# Altium PCB OAI_KPA_Digital_part.PcbDoc (part 2 of 3)
Units mil, origin at the board's own origin, x right, y up, seen from the top; angles counter-clockwise.
Board outline 5906.35 x 2551.18 mil, 4 copper layers (Top Layer, Mid-Layer 1, Internal Plane 2, Bottom Layer); 133 components, 173 nets, 617 pads, 278 vias.
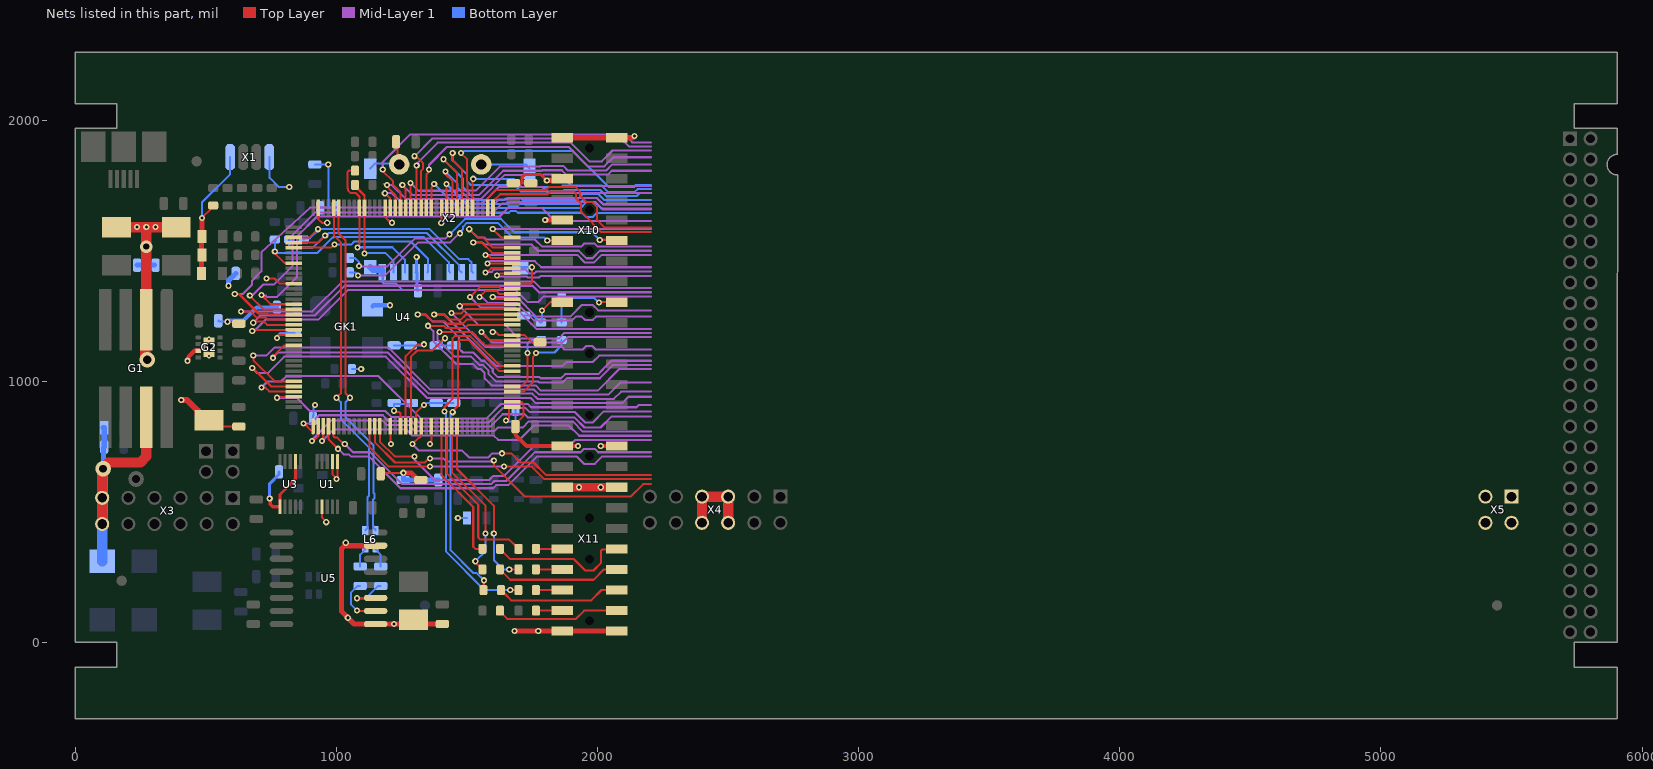
[diagram p4: the nets of this part, all layers, seen from the top]

## Via types
v1: diameter 23.62, hole 11.81, Top Layer to Bottom Layer, 243 vias
v2: diameter 31.5, hole 31.5, Top Layer to Bottom Layer, 30 vias
v3: diameter 19.68, hole 7.87, Top Layer to Bottom Layer, 2 vias
v4: diameter 43.31, hole 31.5, Top Layer to Bottom Layer, 1 vias
v5: diameter 59.06, hole 31.5, Top Layer to Bottom Layer, 1 vias
v6: diameter 47.24, hole 23.62, Top Layer to Bottom Layer, 1 vias

## Nets (pads, with @x,y where several pads share a name; then routed paths per layer and width w, separated by ;. In a path a pad name is that pad's centre, name@x,y a point inside that pad or via, vN(x,y) a via of type N, cw(c..) or ccw(c..) an arc to the next point about the centre after c; other vN are vias at no path point) (continued)
ADC_MC_IN_4: C4.2 R4.1 U4.37 | length 195.5
  Top Layer w7.87: v1(1649.6,850.39) 1649.6,844.09 1657.48,851.96 1657.48,852.64 1660.53,855.69 1660.53,898.62 1663.48,901.57 U4.37@1673.23,901.57
  Bottom Layer w7.87: v1(1649.6,850.39) 1649.6,846.34 1668.52,846.34 1669.27,845.59 1673.53,845.59 1685.04,834.07 C4.2@1685.04,829.82 ; C4.2@1685.04,826.36 C4.2@1685.04,829.82 ; R4.1@1685.04,893.7 C4.2@1685.04,829.82
ADC_MC_IN_5: C5.2 R5.1 U4.18 | length 171
  Top Layer w7.87: v1(1220.47,887.46) 1225.08,882.84 1239.23,882.81 1245.08,876.97 U4.18@1245.08,827.76
  Bottom Layer w7.87: v1(1220.47,887.46) 1220.47,913.39 R5.1@1287.4,913.39
ADC_MC_IN_6: C6.2 R6.1 U4.19 | length 472.9
  Top Layer w7.87: U4.19@1264.76,827.76 1264.76,1096.03 1310.46,1141.73 v1(1334.64,1141.73)
  Bottom Layer w7.87: C6.2@1220.47,1137.8 R6.1@1283.46,1137.8 1330.71,1137.8 v1(1334.64,1141.73)
ADC_MC_IN_7: C7.2 R7.1 U4.20 | length 530.7
  Top Layer w7.87: U4.20@1284.45,827.76 1284.45,1093.45 1309.11,1118.11 1366.06,1118.11 1412.93,1164.98 v1@1414.99,1164.98
  Bottom Layer w7.87: C7.2@1381.89,1137.8 C7.2@1389.6,1137.8 ; v1(1415.01,1165.01) 1415.01,1163.04 1389.77,1137.8 C7.2@1389.6,1137.8 ; R7.1@1448.82,1137.8 C7.2@1389.6,1137.8
ADC_MC_IN_8: C8.2 R8.1 U4.21 | length 211.8
  Top Layer w7.87: U4.21@1304.13,827.76 1304.13,878.94 v1(1334.65,909.45)
  Bottom Layer w7.87: v1(1334.65,909.45) 1338.91,909.45 1345.87,916.41 1380.98,916.41 C8.2@1381.89,917.32 R8.1@1448.82,917.32
CAN_RX: R29.2 X10.11 | length 1187.3
  Top Layer w7.87: v1@2009.67,1542.24 2069.97,1542.24 X10.11@2072.83,1539.37
  Mid-Layer 1 w7.87: v1@1093.77,1440.34 1194.58,1440.34 1302.03,1547.79 1417.87,1547.79 v1(1433.07,1562.99)
  Bottom Layer w7.87: R29.2@1051.18,1472.44 1070.19,1472.44 1086.61,1456.02 1085.83,1455.23 v1(1085.83,1441.34) ; v1(1433.07,1562.99) 1492.72,1622.64 1629.33,1622.64 1681.1,1570.87 1978.18,1570.87 ; v1@2007.77,1541.27 1978.18,1570.87 ; v1(2008.24,1540.81) 1978.18,1570.87
CAN_RX_2: U4.73 | length 739.2
  Top Layer w7.87: U4.73@1599.41,1664.37 1599.41,1688.98 1626.97,1716.54 1633.86,1716.54 1769.96,1716.54 1776.49,1716.54 1808.3,1716.54 1817.94,1726.18 1820.9,1726.18 1875.18,1726.18 1910.4,1726.18 1917.32,1719.26 1917.32,1699.79 1937.01,1680.11 1937.01,1648.61 1948.32,1637.3 2014.08,1571.54 2204.72,1571.54
CAN_TX: R31.2 X10.12 | length 937
  Top Layer w7.87: v1(1807.09,1539.37) X10.12@1864.17,1539.37
  Mid-Layer 1 w7.87: v1(1082.68,1405.51) 1186,1405.51 1312.53,1532.04 1435.52,1532.04 1470.41,1566.93 v1(1472.44,1566.93)
  Bottom Layer w7.87: R31.2@1051.18,1417.32 1070.87,1417.32 v1(1082.68,1405.51) ; v1(1472.44,1566.93) 1472.44,1571.19 1484.81,1583.56 1484.81,1592.46 1499.24,1606.9 1617.51,1606.9 1673.23,1551.18 1794.6,1551.18 1806.41,1539.37 v1(1807.09,1539.37)
CAN_TX_2: U4.74 | length 785.1
  Top Layer w7.87: U4.74@1579.72,1664.37 1580.71,1665.35 1580.71,1702.76 1610.24,1732.28 1801.77,1732.28 1814.34,1744.85 ; 1813.03,1743.47 1814.33,1744.77 1914.09,1744.77 1933.07,1725.79 1933.07,1711.25 1958.29,1686.02 1980.33,1686.02 1997.05,1669.3 1997.05,1618.34 2026.6,1588.78 2204.72,1588.78
CLK_SDIO: U4.113 X2.5 | length 604.4
  Top Layer w7.87: U4.113@836.61,1511.81 980.32,1511.81 v1(992.13,1523.62)
  Bottom Layer w7.87: v1(992.13,1523.62) 1056.27,1523.62 1069.03,1536.38 1283.24,1536.38 1350.39,1469.22 1350.39,1419.09 X2.5@1348.62,1417.32
CMD_SDIO: R38.1 U4.116 X2.3 | length 921.4
  Top Layer w7.87: v1(763.78,1496.8) 763.78,1490.19 800.23,1453.74 835.63,1453.74 U4.116@836.61,1452.76
  Bottom Layer w7.87: R38.1@763.78,1543.31 767.72,1539.37 763.78,1535.43 763.78,1492.13 927.22,1492.13 986.28,1551.18 987.4,1551.18 988.34,1552.12 1334.3,1552.12 1430.41,1456.02 1430.41,1422.15 X2.3@1435.24,1417.32
D0_SDIO: R40.1 U4.98 X2.8 | length 445.3
  Top Layer w7.87: R40.1@1070.87,1751.97 1070.87,1748.03 1107.28,1711.61 U4.98@1107.28,1664.37 1107.28,1489.98 v1(1107.23,1489.93)
  Bottom Layer w7.87: v1(1107.23,1489.93) 1109.31,1492.01 1186.51,1492.01 1218.7,1459.82 X2.8@1218.7,1417.32
D1_SDIO: R39.1 U4.99 X2.7 | length 603.8
  Top Layer w7.87: 1041.54,1739.17 1041.54,1801.39 1047.66,1807.5 1070.45,1807.5 R39.1@1070.87,1807.09 ; 1041.59,1739.17 1043.31,1737.46 1043.31,1732 1054.84,1720.47 1074.8,1720.47 1087.6,1707.68 1087.6,1523.68 1080.94,1517.02 v1(1080.94,1512.75)
  Bottom Layer w7.87: v1(1080.94,1512.75) 1081.73,1513.55 1214.22,1513.55 1262.01,1465.76 X2.7@1262.01,1417.32
D2_SDIO: R36.1 U4.111 X2.1 | length 861
  Top Layer w7.87: U4.111@836.61,1551.18 897.64,1551.18 v1(929.13,1582.68)
  Bottom Layer w7.87: R36.1@874.02,1543.31 877.95,1547.24 897.64,1547.24 929.13,1578.74 v1(929.13,1582.68) 930.08,1583.62 1354.94,1583.62 1470.36,1468.2 1504.66,1468.2 1516.85,1456.02 1516.85,1422.32 X2.1@1521.85,1417.32
D3_SDIO: R37.1 U4.112 X2.2 | length 911.3
  Top Layer w7.87: U4.112@836.61,1531.5 929.13,1531.5 955.76,1558.12 v1(956.69,1558.12)
  Bottom Layer w7.87: R37.1@818.9,1543.31 818.9,1519.69 826.77,1511.81 909.45,1511.81 v1@954.38,1556.74 ; v1(956.69,1558.12) 959.43,1558.12 969.18,1567.87 1346.67,1567.87 1468.7,1445.84 1468.7,1427.17 X2.2@1478.54,1417.32
D_IN_1_N: R48.2 U5.11 | length 181.5
  Top Layer w7.87: v1(1078.74,169.29) 1079.33,169.88 1149.02,169.88 U5.11@1149.61,170.47
  Bottom Layer w7.87: v1(1078.74,169.29) 1112.2,169.29 1159.45,216.54 R48.2@1169.29,216.54
D_IN_1_P: R47.2 U5.10 | length 196.2
  Top Layer w7.87: v1(1078.74,122.05) 1079.53,121.26 1148.82,121.26 U5.10@1149.61,120.47
  Bottom Layer w7.87: v1(1078.74,122.05) 1055.12,145.67 1055.12,190.95 1080.71,216.54 R47.2@1090.55,216.54
D_IN_2_N: L6.1 R48.1 | length 79
  Bottom Layer w7.87: L6.1@1149.61,362.2 1149.61,356.3 1169.29,336.61 R48.1@1169.29,291.34
D_IN_2_P: L6.4 R47.1 | length 79
  Bottom Layer w7.87: R47.1@1090.55,291.34 1090.55,336.61 1110.24,356.3 L6.4@1110.24,362.2
D_IN_3_N: L6.2 U4.103 | length 1318.2
  Top Layer w7.87: U4.103@1008.86,1664.37 1007.87,1663.39 1007.87,1627.98 1007.87,1566.34 1034.45,1539.76 1034.45,953.74 v1(1051.18,937.01)
  Bottom Layer w7.87: v1@1051.34,936.76 1050.94,936.76 1034.45,920.28 1034.45,862.22 1141.77,754.89 1141.77,573.49 1145.32,569.95 1145.32,552.34 1140.52,547.54 1140.52,492.41 ; 1140.55,492.38 1140.55,447.53 1141.73,446.35 1141.73,437.01 L6.2@1149.61,429.13 L6.2@1149.61,435.04
D_IN_3_P: L6.3 U4.104 | length 1313.2
  Top Layer w7.87: U4.104@989.17,1664.37 990.16,1663.39 990.16,1559 1016.73,1532.42 1016.73,953.74 v1(1000,937.01)
  Bottom Layer w7.87: v1(1000,937.01) 1000,932.75 1004.26,932.75 1016.73,920.28 1016.73,854.88 1124.06,747.55 1124.06,561.14 1119.26,556.35 1119.26,483.6 ; L6.3@1110.24,429.13 1118.11,437.01 1118.11,446.35 1119.29,447.53 1119.29,483.57
DAC_MC_Out_1: R49.1 U4.40 | length 342
  Top Layer w7.87: U4.40@1673.23,960.63 1717.18,960.63 1752.21,995.66 1752.21,1092.76 1763.78,1104.33 v1(1763.78,1108.59)
  Bottom Layer w7.87: v1(1763.78,1108.59) 1765.42,1110.23 1834.64,1110.23 1862.2,1137.8 R49.1@1862.2,1158.07
DAC_MC_Out_2: R50.1 U4.41 | length 267.8
  Top Layer w7.87: U4.41@1673.23,980.32 1674.21,981.3 1709.64,981.3 1732.28,1003.94 1732.28,1107.54 v1(1731.22,1108.59)
  Bottom Layer w7.87: v1(1731.22,1108.59) 1731.22,1109.97 1731.78,1110.52 1731.78,1145.16 1744.69,1158.07 R50.1@1783.46,1158.07
DAC_OUT_1: C45.2 R49.2 X10.17 | length 312.2
  Top Layer w7.87: v1(2005.33,1301.75) 2006.73,1303.15 X10.17@2072.83,1303.15
  Bottom Layer w7.87: R49.2@1862.2,1225 C45.2@1862.2,1318.9 1988.19,1318.9 v1(2005.33,1301.75)
DAC_OUT_2: C46.2 R50.2 X10.18 | length 216.2
  Top Layer w7.87: v1(1787.4,1271.65) 1818.9,1303.15 X10.18@1864.17,1303.15
  Bottom Layer w7.87: C46.2@1716.54,1251.97 1753.94,1251.97 1780.91,1225 R50.2@1783.46,1225 1787.4,1228.94 v1(1787.4,1271.65)
GND: C12.1 C13.2 C14.2 C15.1 C16.1 C17.1 C18.2 C19.1 C22.1 C23.1 C24.1 C25.1 C26.1 C27.1 C28.1 C29.1 C30.1 C31.1 C32.1 C33.1 C34.1 C35.1 C36.1 C37.1 C38.1 C39.1 C40.2 C41.1 D1.2 D2.2 D3.2 G1.6 G2.3 G2.9 GK1.2 L2.1 R13.1 R17.2 R42.2 U1.1 U1.2 U1.7 U3.1 U3.7 U4.16 U4.24 U4.38 U4.51 U4.61 U4.83 U4.94 U4.107 U4.120 U4.130 U5.9 U5.15 X1.B1 X1.B4 X2.6 X2.Gd X2.MP0 X10.1 X10.2 X10.6 X10.10 X11.1 X11.2 X11.5 X11.6 X11.19 X11.20 | length 7941.1
  Top Layer w7.87: v1(484.25,1625.98) 519.68,1661.42 519.68,1669.29 R17.2@523.62,1673.23 ; C18.2@511.81,850.39 535.43,826.77 C17.1@625.98,826.77 ; v1(582.68,1228.35) 583.3,1227.73 606.92,1227.73 614.17,1220.47 R13.1@625.98,1220.47 ; v1(732.28,1393.7) 762.66,1393.7 782.34,1374.02 U4.120@836.61,1374.02 ; v1(771.65,1165.35) 771.65,1168.97 779.85,1177.17 U4.130@836.61,1177.17 ; U4.107@930.12,1664.37 930.12,1621.06 944.88,1606.3 963.62,1606.3 v1(964.57,1607.24) ; U1.7@944.88,519.69 944.88,478.29 960.63,462.54 v1(960.63,460.63) ; U1.2@984.25,692.91 984.25,643.64 1000,627.89 v1(1000,625.98) ; v1@1003.94,634.18 U1.1@1003.94,692.91 ; C16.1@1169.29,645.67 1173.23,649.61 v1(1255.91,649.61) ; U4.94@1186.02,1664.37 1187.01,1663.39 1187.01,1627.98 1204.73,1610.26 1209.59,1610.26 v1(1212.6,1607.24) ; U4.16@1205.71,827.76 1206.69,826.77 1206.69,761.81 v1(1208.66,759.84) ; C37.1@1228.35,1917.32 1234.25,1911.42 1234.25,1836.61 X2.MP0@1240.16,1830.71 ; v1@1358.27,763.78 1358.27,768.04 1363.19,772.96 U4.24@1363.19,827.76 ; v1(1400.96,1606.92) 1402.07,1608.03 1402.07,1663.88 U4.83@1402.56,1664.37 ; v1(1598.43,1188.98) 1610.56,1188.98 1622.37,1177.17 U4.51@1673.23,1177.17 1720.47,1177.17 1748.03,1149.61 C31.1@1779.53,1149.61 ; C39.1@1669.45,1763.78 C39.1@1677.17,1763.78 ; U4.38@1673.23,921.26 1674.21,920.28 1709.62,920.28 1716.54,913.36 1716.54,868.11 1685.04,836.61 C35.1@1685.04,826.77 ; U4.61@1673.23,1374.02 1743.42,1374.02 1748.03,1378.63 v1(1748.03,1437.01)
  Top Layer w11.81: v1(744.09,551.18) 746.35,548.92 746.35,529.24 755.91,519.69 U3.1@783.46,519.69 783.46,566.93 842.52,625.98 U3.7@842.52,692.91 ; C39.1@1677.17,1759.84 1710.63,1759.84 ; C27.1@1744.09,1759.84 1710.63,1759.84 ; v1(1805.43,1768.93) 1783.02,1791.34 1720.47,1791.34 1710.63,1781.5 1710.63,1759.84
  Top Layer w15.75: v1(429.06,1078.67) 433.07,1082.68 433.07,1094.12 456.08,1117.13 G2.3@470.47,1117.13 ; C35.1@1685.04,826.77 1685.04,795.28 1728.35,751.97 X11.2@1864.17,751.97 v1(1925.2,751.97) ; v1(2011.81,751.97) X11.1@2072.83,751.97
  Top Layer w19.68: D1.2@482.99,1413.39 483.62,1414.02 483.62,1554.49 D2.2@484.25,1555.12 v1(484.25,1625.98) ; U5.15@1149.61,370.47 1031.1,370.47 1019.57,358.94 1019.57,342.63 1019.68,342.52 1019.68,118.11 1067.32,70.47 U5.9@1149.61,70.47 1279.13,70.47 C40.2@1295.28,86.61 1311.02,70.87 C41.1@1405.51,70.87 ; v1(1255.91,649.61) 1256.66,648.85 1286.19,648.85 1312.99,622.05 C28.1@1322.83,622.05 ; v1(1681.1,43.31) X11.20@1864.17,43.31 X11.19@2072.83,43.31 ; v1(1799.21,1618.11) X10.10@1864.17,1618.11 ; v1(1805.43,1768.93) 1806.65,1770.15 1858.73,1770.15 X10.6@1864.17,1775.59 ; X10.2@1856.5,1940.75 X10.2@1864.17,1933.07 X10.1@2072.83,1933.07 2134.77,1933.07 2140.66,1938.96 v1(2141.73,1938.96)
  Top Layer w23.62: v1(405.51,929.13) 427.22,929.13 468.5,887.85 468.5,877.95 496.06,850.39 C18.2@511.81,850.39
  Top Layer w31.5: X11.6@1864.17,594.49 X11.5@2072.83,594.49
  Top Layer w39.37: C13.2@157.48,1589.88 236.22,1589.88 v1@271.65,1589.88 ; v5(275.59,1082.68) 267.72,1090.55 267.72,1232.28 G1.6@271.65,1236.22 v6(271.65,1515.75) v1@271.65,1589.88 ; C15.1@385.83,1589.88 307.09,1589.88 v1@271.65,1589.88
  Bottom Layer w7.87: v1(484.25,1625.98) 484.25,1684.76 592.76,1793.26 X1.B1@592.76,1858.5 ; C19.1@547.24,1232.28 551.18,1228.35 v1(582.68,1228.35) ; X1.B4@742.76,1858.5 744.09,1857.17 744.09,1779.53 779.53,1744.09 v1(818.9,1744.09) ; v1(771.65,1165.35) 771.65,1167.27 769.63,1169.29 785.38,1185.04 C34.1@838.58,1185.04 ; C36.1@909.45,858.27 909.45,868.11 911.81,870.47 911.81,899.67 917.32,905.19 v1(917.32,909.94) ; C26.1@917.32,1830.71 v1@967.83,1830.71 ; C38.1@937.01,1665.35 966.54,1665.35 ; v1(968.5,1830.71) 968.5,1667.32 966.54,1665.35 ; C32.1@996.06,1665.35 966.54,1665.35 ; R42.2@1059.06,1047.24 v1(1094.49,1047.24) ; X2.MP0@1129.13,1814.96 1148.82,1834.65 1236.22,1834.65 X2.MP0@1240.16,1830.71 ; X2.Gd@1175.39,1417.32 1177.17,1415.55 1177.17,1378.63 1181.78,1374.02 1228.35,1374.02 1251.97,1350.39 1307.95,1350.39 1308.6,1349.74 C25.1@1311.89,1346.46 ; v1(1464.57,476.38) C30.1@1500,476.38 ; X2.MP0@1554.33,1830.71 1723.62,1830.71 X2.MP0@1739.37,1814.96 ; X2.MP0@1703.94,1437.01 v1(1748.03,1437.01)
  Bottom Layer w11.81: v1(744.09,551.18) 744.09,608.27 779.53,643.7 C24.1@779.53,653.54 ; X2.6@1305.32,1417.32 1306.2,1418.21 1306.2,1475.49 v1(1307.09,1476.38) ; C25.1@1308.6,1349.74 X2.6@1308.6,1414.04
  Bottom Layer w15.75: v1(582.68,1228.35) 584.19,1229.85 589.75,1229.85 592.18,1232.28 643.14,1232.28 694.32,1283.46 C29.1@771.65,1283.46 ; GK1.2@1137.8,1287.4 1141.73,1291.34 v1(1204.72,1291.34)
  Bottom Layer w19.68: C12.1@236.22,1444.88 269.69,1444.88 ; v6(271.65,1515.75) 271.65,1446.85 269.69,1444.88 ; C14.2@303.15,1444.88 269.69,1444.88 ; v1(586.61,1366.14) 586.61,1385.83 C33.1@614.17,1413.39 ; v1(1255.91,649.61) C23.1@1255.91,622.24 C22.1@1322.83,622.24 L2.1@1389.76,622.24
  Bottom Layer w23.62: X2.MP0@1129.13,1437.01 1138.98,1427.17 1173.43,1427.17 1175.39,1425.2 X2.Gd@1175.39,1417.32
  other v1: 1772.64,43.31 1220.47,70.87 1043.31,94.49 1035.43,381.89 1929.13,594.49 2011.81,594.49 1358.27,759.84 236.22,1590.55 271.65,1590.55 307.09,1590.55
  other v3: 511.81,1097.44 511.81,1162.4
  other v4: 511.81,1129.92
GND_IN: C9.1 C11.2 G1.2 L3.1 pad.2 X3.11 X3.12 X4.5 X4.6 X4.7 X4.8 X5.1 X5.2 X5.3 X5.4 | length 1372.1
  Top Layer w39.37: X3.12@102.76,453.74 X3.11@102.76,553.74 102.76,665.91 125.82,688.98 248.59,688.98 271.65,712.04 G1.2@271.65,862.2 ; X4.8@2400,458.27 X4.7@2400,558.27 X4.5@2500,558.27 X4.6@2500,458.27
  Bottom Layer w19.68: L3.1@105.52,823.61 L3.1@110.24,818.9 ; pad.2@106.3,665.35 108.27,667.32 108.27,746.06 C9.1@110.24,748.03 L3.1@110.24,818.9 ; L3.1@110.24,822.83 L3.1@110.24,818.9
  Bottom Layer w39.37: C11.2@102.36,311.02 102.56,311.22 102.56,553.54 X3.11@102.76,553.74 104.53,555.51 104.53,663.58 pad.2@106.3,665.35
GPIO_1: R51.2 X11.11 | length 543.9
  Top Layer w7.87: R51.2@1625.98,358.27 1625.98,356.46 1637.5,344.95 1639.3,344.95 1665.35,318.9 1909.45,318.9 1952.76,275.59 1984.25,275.59 2013.64,304.98 2013.64,351.91 2018.26,356.52 2071.09,356.52 X11.11@2072.83,358.27
GPIO_2: R52.2 X11.12 | length 100.5
  Top Layer w7.87: R52.2@1763.63,358.27 X11.12@1864.17,358.27
GPIO_3: R53.2 X11.13 | length 480.5
  Top Layer w7.87: R53.2@1625.98,279.53 1625.98,277.72 1637.5,266.21 1639.3,266.21 1665.35,240.16 1984.68,240.16 2024.05,279.53 X11.13@2072.83,279.53
GPIO_4: R54.2 X11.14 | length 100.5
  Top Layer w7.87: R54.2@1763.63,279.53 X11.14@1864.17,279.53
GPIO_5: R55.2 X11.15 | length 476.6
  Top Layer w7.87: R55.2@1629.92,200.79 1629.92,198.98 1641.43,187.47 1643.24,187.47 1669.29,161.42 1975.48,161.42 2014.85,200.79 X11.15@2072.83,200.79
GPIO_6: R56.2 X11.16 | length 100.5
  Top Layer w7.87: R56.2@1763.63,200.79 X11.16@1864.17,200.79
GPIO_7: R57.2 X11.17 | length 475.2
  Top Layer w7.87: R57.2@1625.98,122.05 1625.98,118.11 1653.54,90.55 1917.32,90.55 1948.82,122.05 X11.17@2072.83,122.05
GPIO_8: R58.2 X11.18 | length 100.5
  Top Layer w7.87: R58.2@1763.63,122.05 X11.18@1864.17,122.05
GPIO_9: U4.141 | length 1739.2
  Top Layer w7.87: v1(712.6,976.38) 727.01,976.38 741.77,961.61 835.63,961.61 U4.141@836.61,960.63
  Mid-Layer 1 w7.87: v1(712.6,976.38) 735.6,999.38 787.24,999.38 807.55,1019.69 1160.72,1019.69 1322.14,858.27 1574.8,858.27 1629.92,913.39 1732.28,913.39 1744.95,900.72 2148.75,900.72 2157.48,909.45 2204.72,909.45
GPIO_10: U4.142 | length 1602.9
  Top Layer w7.87: v1(771.65,937.01) 774.61,939.96 835.63,939.96 U4.142@836.61,940.95
  Mid-Layer 1 w7.87: v1(771.65,937.01) 847.19,937.01 897.89,886.31 1186.58,886.31 1209.06,863.83 1293.65,863.83 1314.96,842.52 1582.28,842.52 1637.4,897.64 1724.41,897.64 1740.16,881.89 1913.39,881.89 1953.74,841.54 1980.3,841.54 2023.74,884.97 2204.72,884.97
GPIO_11: U4.1 | length 1480.8
  Top Layer w7.87: v1(874.02,838.58) 876.21,838.58 903.77,811.02 910.43,817.69 U4.1@910.43,827.76
  Mid-Layer 1 w7.87: v1(874.02,838.58) 901.28,838.58 932.78,870.08 1177.17,870.08 1199.16,848.09 1285.77,848.09 1307.09,826.77 1588.8,826.77 1636.05,874.02 1720.47,874.02 1732.28,862.2 1910.8,862.2 1949.89,823.11 2010.84,823.11 2053.87,866.14 2204.72,866.14
GPIO_12: U4.2 | length 1452.3
  Top Layer w7.87: v1(905.51,771.65) 911.48,771.65 930.12,790.3 U4.2@930.12,827.76
  Mid-Layer 1 w7.87: v1(905.51,771.65) 905.51,775.41 980.49,850.39 1174.58,850.39 1192.64,832.34 1277.9,832.34 1300.7,809.54 1603.46,809.54 1616.76,822.83 1712.6,822.83 1736.22,846.46 1904.28,846.46 1943.44,807.29 2204.72,807.29
GPIO_13: U4.3 | length 1391.3
  Top Layer w7.87: v1(944.88,771.65) 949.31,776.08 949.31,827.26 U4.3@949.8,827.76
  Mid-Layer 1 w7.87: v1(944.88,771.65) 988.19,814.96 1267.97,814.96 1290.75,792.19 1602.3,792.19 1618.9,775.59 1700.79,775.59 1755.91,830.71 1889.76,830.71 1928.93,791.54 2204.72,791.54
GPIO_14: U4.4 | length 1437.2
  Top Layer w7.87: U4.4@969.49,827.76 969.49,778.54 1005.29,742.74 v1(1005.29,741.51)
  Mid-Layer 1 w7.87: v1(1005.29,741.51) 1006.52,741.51 1027.49,720.54 1047.18,720.54 1055.12,712.6 1122.84,712.6 1244.89,590.55 1599.66,590.55 1611.5,602.39 1658.33,602.39 1768.54,712.6 1919.23,712.6 1947.78,684.06 1989.23,684.06 2017.77,712.6 2204.72,712.6
GPIO_15: U4.5 | length 1391.1
  Top Layer w7.87: U4.5@989.17,827.76 989.17,789.06 993.79,784.45 1002.95,784.45 1027.56,759.84 v1(1031.5,759.84)
  Mid-Layer 1 w7.87: v1(1031.5,759.84) 1062.99,728.35 1129.36,728.35 1251.41,606.3 1593.14,606.3 1604.99,618.15 1649.58,618.15 1759.77,728.35 1934.98,728.35 1947.78,741.14 1989.23,741.14 2002.03,728.35 2204.72,728.35
GPIO_16: U4.58 | length 742.3
  Top Layer w7.87: v1(1598.43,1322.83) 1602.69,1322.83 1610.56,1314.96 U4.58@1673.23,1314.96
  Mid-Layer 1 w7.87: v1(1598.43,1322.83) 1690.23,1322.83 1765.03,1248.03 1894.62,1248.03 1938.91,1292.32 1981.36,1292.32 2002.03,1271.65 2204.72,1271.65
GPIO_17: U4.59 | length 852.8
  Top Layer w7.87: v1(1547.24,1322.83) 1570.87,1346.46 1611.25,1346.46 1623.06,1334.65 U4.59@1673.23,1334.65
  Mid-Layer 1 w7.87: v1(1547.24,1322.83) 1550.26,1319.82 1559.74,1319.82 1580.63,1298.94 1690.36,1298.94 1757.01,1232.28 1901.14,1232.28 1916.89,1248.03 1938.92,1248.03 1951.71,1235.24 1981.36,1235.24 1994.15,1248.03 2000,1248.03 2204.72,1248.03
GPIO_18: U4.60 | length 924.5
  Top Layer w7.87: v1(1511.81,1322.83) 1551.18,1362.2 1622.05,1362.2 1629.92,1354.33 U4.60@1673.23,1354.33
  Mid-Layer 1 w7.87: v1(1511.81,1322.83) 1552.84,1281.81 1684.41,1281.81 1745.74,1220.47 1746,1220.47 1765.69,1200.79 2204.72,1200.79
GPIO_19: U4.63 | length 658.8
  Top Layer w7.87: v1(1614.17,1405.51) 1618.43,1405.51 1626.31,1413.39 U4.63@1673.23,1413.39
  Mid-Layer 1 w7.87: v1(1614.17,1405.51) 1618.11,1401.57 1727.78,1401.57 1731.72,1397.63 1775.62,1397.63 1782.09,1404.11 2204.72,1404.11
GPIO_20: U4.64 | length 756.8
  Top Layer w7.87: v1(1570.87,1417.32) 1576.83,1417.32 1592.58,1433.07 U4.64@1673.23,1433.07
  Mid-Layer 1 w7.87: v1(1570.87,1417.32) 1572.78,1419.23 1594.49,1419.23 1604.39,1429.13 1722.49,1429.13 1738.24,1413.38 1757.81,1413.38 1764.29,1419.86 2204.72,1419.86
GPIO_21: U4.65 | length 735.7
  Top Layer w7.87: v1(1578,1451.91) 1672.38,1451.91 U4.65@1673.23,1452.76
  Mid-Layer 1 w7.87: v1(1578,1451.91) 1586.73,1460.63 1759.82,1460.63 1783.44,1437.01 2204.72,1437.01
GPIO_22: U4.66 | length 775.4
  Top Layer w7.87: v1(1570.86,1484.25) 1570.86,1491.8 1571.51,1491.8 1590.88,1472.44 U4.66@1673.23,1472.44
  Mid-Layer 1 w7.87: v1(1570.86,1484.25) 1783.43,1484.25 1921.26,1484.25 1949.8,1455.71 1986.85,1455.71 2015.39,1484.25 2204.72,1484.25
GPIO_23: U4.67 | length 885.1
  Top Layer w7.87: v1(1523.62,1531.49) 1525.25,1533.12 1555.4,1533.12 1596.4,1492.13 U4.67@1673.23,1492.13
  Mid-Layer 1 w7.87: v1(1523.62,1531.49) 1559.73,1531.49 1567.6,1523.62 1748.03,1523.62 1771.65,1500 1928.14,1500 1956.68,1471.46 1980.33,1471.46 2008.87,1500 2204.72,1500
GPIO_24: U4.68 | length 928.8
  Top Layer w7.87: v1(1508.43,1582.68) 1539.64,1551.47 1559.32,1551.47 1598.98,1511.81 U4.68@1673.23,1511.81
  Mid-Layer 1 w7.87: v1(1508.43,1582.68) 1540.26,1550.85 1565.51,1550.85 1573.17,1543.19 1759.96,1543.19 1787.4,1515.75 1936.81,1515.75 1949.6,1528.54 1987.09,1528.54 1999.89,1515.75 2204.72,1515.75
GPIO_25: U4.56 | length 1072.2
  Top Layer w7.87: v1(1440.94,1261.15) 1442.25,1259.84 1477.54,1259.84 1485.42,1267.72 1485.53,1267.72 1494.39,1276.57 1672.24,1276.57 U4.56@1673.23,1275.59
  Mid-Layer 1 w7.87: v1(1440.94,1261.15) 1569.88,1132.21 1862.59,1132.21 1872.75,1122.05 1942.86,1122.05 1955.65,1134.84 1980.3,1134.84 1993.1,1122.05 2204.72,1122.05
GPIO_26: U4.57 | length 997
  Top Layer w7.87: v1(1472.13,1287.72) 1477.02,1287.72 1484.58,1295.28 U4.57@1673.23,1295.28
  Mid-Layer 1 w7.87: v1(1472.13,1287.72) 1543.31,1216.54 1645.67,1216.54 1698.49,1163.71 1850.55,1163.71 1871.88,1185.04 2204.72,1185.04
GPIO_27: U4.87 | length 1131.3
  Top Layer w7.87: v1(1299.21,1862.2) 1305.06,1862.2 1330.71,1836.56 1330.71,1812.93 1322.83,1805.06 1322.83,1696.85
  Mid-Layer 1 w7.87: v1(1299.21,1862.2) 1367.01,1930.01 2089.41,1930.01 2119.83,1899.59 2204.72,1899.59
GPIO_28: U4.88 | length 1148.3
  Top Layer w7.87: U4.88@1304.13,1664.37 1304.13,1729.3 1307.09,1732.25 v1(1307.09,1826.77)
  Mid-Layer 1 w7.87: v1(1307.09,1826.77) 1307.09,1833.54 1387.81,1914.26 1896.77,1914.26 1968.51,1842.52 2015.74,1842.52 2057.07,1883.85 2204.72,1883.85
GPIO_29: U4.89 | length 1084.9
  Top Layer w7.87: v1(1283.46,1759.84) 1283.96,1759.35 1283.96,1664.86 U4.89@1284.45,1664.37
  Mid-Layer 1 w7.87: v1(1283.46,1759.84) 1313.37,1729.93 1436.57,1729.93 1436.71,1730.07 1533.22,1730.07 1625.3,1822.15 1631.94,1822.15 1779.63,1822.15 1781.53,1824.05 1869.81,1824.05 1886.29,1807.57 2032.54,1807.57 2055.67,1830.7 2204.72,1830.7
GPIO_30: U4.90 | length 1113.1
  Top Layer w7.87: v1(1251.97,1751.97) 1251.97,1749.94 1264.76,1737.15 U4.90@1264.76,1664.37
  Mid-Layer 1 w7.87: v1(1251.97,1751.97) 1289.75,1714.19 1546.25,1714.19 1638.46,1806.4 1786.16,1806.4 1788.06,1808.3 1863.29,1808.3 1879.77,1791.83 2039.07,1791.83 2053.64,1806.4 2204.72,1806.4
GPIO_31: U4.91 | length 1287.8
  Top Layer w7.87: v1(1177.17,1811.02) 1177.17,1805.06 1216.54,1765.69 1216.54,1751.97 1245.08,1723.43 U4.91@1245.08,1664.37
  Mid-Layer 1 w7.87: v1(1177.17,1811.02) 1177.17,1840.1 1282.82,1945.75 2101.53,1945.75 2131.94,1915.34 2204.72,1915.34
GPIO_32: U4.92 | length 1218.1
  Top Layer w7.87: 1179.8,1755.38 1189.5,1755.38 v1(1192.91,1751.97) ; 1180.7,1756.31 1182.61,1756.31 1225.39,1713.52 U4.92@1225.39,1664.37
  Mid-Layer 1 w7.87: v1(1192.91,1751.97) 1212.6,1751.97 1266.84,1697.72 1552.05,1697.72 1644.98,1790.65 1792.68,1790.65 1794.58,1792.55 1856.77,1792.55 1901.29,1748.03 2204.72,1748.03
GPIO_33: U4.93 | length 1144.1
  Top Layer w7.87: v1@1177.17,1720.47 1180.18,1717.46 1188.02,1717.46 1204.72,1700.76 1204.72,1665.35 U4.93@1205.71,1664.37
  Mid-Layer 1 w7.87: v1(1185.04,1720.47) 1212.6,1720.47 1251.56,1681.51 1559.46,1681.51 1622.05,1744.09 1788.74,1744.09 1812.37,1720.47 2204.72,1720.47
GPIO_34: U4.124 | length 1887.5
  Top Layer w7.87: v1(712.6,1330.71) 748.03,1295.28 U4.124@836.61,1295.28
  Mid-Layer 1 w7.87: v1(712.6,1330.71) 715.61,1327.7 729.19,1327.7 734.31,1322.57 771.39,1322.57 849.15,1400.33 849.15,1555.23 925.1,1631.18 1606.2,1631.18 1606.35,1631.32 1624.11,1631.32 1657.43,1664.64 1786.09,1664.64 1836.56,1614.17 2204.72,1614.17
GPIO_35: U4.125 | length 1955.8
  Top Layer w7.87: v1(667.93,1328.13) 720.47,1275.59 U4.125@836.61,1275.59
  Mid-Layer 1 w7.87: v1(667.93,1328.13) 670.51,1330.71 679.19,1330.71 718.56,1370.08 759.84,1370.08 830.71,1440.94 830.71,1559.06 918.58,1646.92 1599.68,1646.92 1633.14,1680.39 1659.87,1680.39 1665.51,1686.02 1992.15,1686.02 2019.04,1659.14 2204.72,1659.14
GPIO_36: U4.126 | length 2063.3
  Top Layer w7.87: v1(610.24,1334.65) 626.54,1334.65 701.35,1259.84 735.43,1259.84 739.37,1255.91 U4.126@836.61,1255.91
  Mid-Layer 1 w7.87: v1(610.24,1334.65) 641.04,1334.65 676.48,1370.08 676.48,1385.83 711.91,1421.26 711.91,1494.08 898.93,1665.35 1590.55,1665.35 1621.33,1696.14 1650.36,1696.14 1655.99,1701.77 1999.02,1701.77 2023.62,1677.17 2204.72,1677.17
GPIO_37: U4.127 | length 1844.5
  Top Layer w7.87: v1(633.86,1267.72) 671.2,1267.72 694.82,1244.09 728.91,1244.09 736.78,1236.22 U4.127@836.61,1236.22
  Mid-Layer 1 w7.87: v1(633.86,1267.72) 907.1,1267.72 1021.27,1381.89 1137.8,1381.89 1137.98,1382.07 1547.06,1382.07 1547.24,1381.89 1725.19,1381.89 1757.08,1381.89 1782.09,1356.87 2204.72,1356.87
GPIO_38: U4.128 | length 1754.8
  Top Layer w7.87: v1(681.1,1224.41) 685.04,1228.35 722.38,1228.35 734.19,1216.54 U4.128@836.61,1216.54
  Mid-Layer 1 w7.87: v1(681.1,1224.41) 708.66,1251.97 916.96,1251.97 1031.14,1366.14 1718.67,1366.14 1750.56,1366.14 1775.64,1341.05 1787.29,1341.05 1787.36,1341.12 2204.72,1341.12
GPIO_39: U4.129 | length 1782.6
  Top Layer w7.87: v1(677.16,1192.91) 680.12,1195.87 835.63,1195.87 U4.129@836.61,1196.85
  Mid-Layer 1 w7.87: v1(677.16,1192.91) 680.18,1195.92 687.78,1195.92 728.08,1236.22 930.56,1236.22 1044.74,1350.39 1684.94,1350.39 1732.18,1303.15 1771.65,1303.15 1793.88,1325.37 2204.72,1325.37
GPIO_40: U4.132 | length 1644.7
  Top Layer w7.87: v1(756.46,1090) 756.46,1094.48 799.77,1137.8 U4.132@836.61,1137.8
  Mid-Layer 1 w7.87: v1(756.46,1090) 756.46,1091.11 775.59,1110.24 1195.5,1110.24 1352.98,952.76 1749.88,952.76 1769.57,933.07 1961.42,933.07 2007.08,933.07 ; 2007.08,933.07 2028.91,933.07 2062.34,933.07 2089.9,960.63 2204.72,960.63
GPIO_41: U4.77 | length 824.8
  Top Layer w7.87: U4.77@1520.67,1664.37 1520.67,1771.65 1524.61,1775.59 v1(1523.62,1775.59)
  Bottom Layer w7.87: v1(1523.62,1775.59) 1679.27,1775.59 1711.45,1743.41 1860.81,1743.41 1866.42,1749.02 2015.79,1749.02 2039.38,1725.42 2142.86,1725.42 2153.66,1736.22 2204.72,1736.22
GPIO_42: U4.78 | length 1011.8
  Top Layer w7.87: v1(1476.38,1874.02) 1500,1850.4 1500,1765.8 1500.98,1764.82 U4.78@1500.98,1664.37
  Bottom Layer w7.87: v1(1476.38,1874.02) 1480.64,1874.02 1488.51,1881.89 1905.18,1881.89 2042.98,1744.09 2139.26,1744.09 2147.14,1751.97 2204.72,1751.97
GPIO_43: U4.79 | length 1092.9
  Top Layer w7.87: v1(1444.88,1874.02) 1444.88,1846.46 1481.3,1810.04 U4.79@1481.3,1664.37
  Bottom Layer w7.87: v1(1444.88,1874.02) 1444.88,1846.46 1500,1791.34 1500,1785.37 1500,1765.8 1513.83,1751.97 1680.62,1751.97 1704.92,1727.66 1867.34,1727.66 1872.94,1733.27 2009.26,1733.27 2032.86,1709.67 2149.38,1709.67 2160.18,1720.47 2204.72,1720.47
GPIO_44: U4.80 | length 1109.7
  Top Layer w7.87: v1(1409.45,1850.39) 1461.61,1798.23 U4.80@1461.61,1664.37
  Bottom Layer w7.87: v1(1409.45,1850.39) 1484.25,1775.59 1484.25,1742.75 1531.8,1695.19 1642.71,1695.19 1647.81,1700.3 1706.52,1700.3 1711.62,1695.19 1921.31,1695.19 1943.63,1717.52 2002.74,1717.52 2026.34,1693.92 2204.72,1693.92
GPIO_45: U4.81 | length 1022.5
  Top Layer w7.87: v1(1417.32,1803.15) 1417.32,1793.25 1444.88,1765.69 1444.88,1738.25 1441.93,1735.29 U4.81@1441.93,1664.37
  Bottom Layer w7.87: v1(1417.32,1803.15) 1463.66,1756.82 1463.66,1741.07 1525.28,1679.44 1649.23,1679.44 1654.33,1684.55 1700,1684.55 1705.1,1679.44 1927.83,1679.44 1950.16,1701.77 1996.22,1701.77 2019.81,1678.18 2204.72,1678.18
GPIO_46: U4.82 | length 936.7
  Top Layer w7.87: v1@1421.7,1755.95 1421.7,1664.91 U4.82@1422.24,1664.37
  Bottom Layer w7.87: v1(1421.26,1755.91) 1513.47,1663.69 1655.75,1663.69 1660.86,1668.8 1693.47,1668.8 1698.58,1663.69 1934.35,1663.69 1956.68,1686.02 1989.7,1686.02 2013.29,1662.43 2204.72,1662.43
GPIO_47: U4.85 | length 1000
  Top Layer w7.87: U4.85@1363.19,1664.37 1363.19,1740.82 1374.01,1751.64 v1(1374.01,1755.9)
  Mid-Layer 1 w7.87: v1@1374.01,1748.03 v1(1374.01,1755.9)
  Bottom Layer w7.87: v1(1374.01,1755.9) 1484.25,1645.67 1660,1645.67 1667.38,1653.05 1686.95,1653.05 1694.33,1645.67 1939.95,1645.67 1956.68,1628.94 1980.33,1628.94 1996.58,1645.19 2204.72,1645.19
GPIO_48: U4.86 | length 1093
  Top Layer w7.87: U4.86@1343.5,1664.37 1344.49,1665.35 1344.49,1793.31 1354.33,1803.15 v1(1354.33,1811.02)
  Mid-Layer 1 w7.87: v1(1354.33,1811.02) 1354.33,1828.68 1423.29,1897.64 1888.29,1897.64 1962.6,1823.32 2026.02,1823.32 2060.96,1858.26 2204.72,1858.26
GPIO_49: U4.22 | length 1062.8
  Top Layer w7.87: v1(1290.75,759.84) 1315.36,784.45 1319.21,784.45 1323.82,789.06 U4.22@1323.82,827.76 U4.22@1322.83,825.33 ; v1(1633.86,724.41) 1669.29,724.41 1704.72,688.98 1754.55,688.98 1801.8,641.73 2204.72,641.73
  Mid-Layer 1 w7.87: v1(1290.75,759.84) 1316.07,734.52 1481.39,734.52 1507.64,708.27 1580.38,708.27 1596.51,724.41 v1(1633.86,724.41)
GPIO_50: U4.49 | length 1255.1
  Top Layer w7.87: v1(1394.58,1188.98) 1518.89,1188.98 1551.18,1156.69 1551.18,1156.13 1569.51,1137.8 U4.49@1673.23,1137.8
  Mid-Layer 1 w7.87: v1(1394.58,1188.98) 1391.45,1188.98 1386.84,1184.36 1386.84,1159.77 1452.13,1094.49 1515.75,1094.49 1547.24,1062.99 1559.61,1062.99 1582.68,1039.93 1582.68,1027.56 1610.24,1000 1771.54,1000 1775.48,996.06 1866.14,996.06 1881.89,1011.81 1938.92,1011.81 2003.93,1011.81 2008.43,1011.81 2059.61,1062.99 2204.72,1062.99
GPIO_51: U4.50 | length 806.6
  Top Layer w7.87: v1(1555.12,1188.98) 1586.61,1157.48 U4.50@1673.23,1157.48
  Mid-Layer 1 w7.87: v1(1555.12,1188.98) 1596.13,1147.96 1864.63,1147.96 1885.96,1169.29 2204.72,1169.29
GPIO_52: U4.53 | length 1357.6
  Top Layer w7.87: v1(1350.39,1212.6) 1410.24,1212.6 1418.11,1204.72 1492.51,1204.72 1504.32,1216.54 U4.53@1673.23,1216.54
  Mid-Layer 1 w7.87: v1(1350.39,1212.6) 1370.96,1192.03 1370.96,1153.38 1457.41,1066.93 1521.04,1066.93 1540.72,1047.24 1553.09,1047.24 1566.93,1033.41 1566.93,1011.81 1582.68,996.06 1594.49,984.25 1762.93,984.25 1782.61,964.57 1974.46,964.57 1994.03,964.56 2000,964.57 2082.68,1047.24 2204.72,1047.24
GPIO_53: U4.54 | length 1437.8
  Top Layer w7.87: v1(1311.02,1255.91) 1340.61,1255.91 1368.17,1228.35 1416.76,1228.35 1424.64,1220.47 1482.71,1220.47 1498.46,1236.22 U4.54@1673.23,1236.22
  Mid-Layer 1 w7.87: v1(1311.02,1255.91) 1340.49,1255.91 1368.05,1228.35 1409.45,1228.35 1468.5,1169.29 1468.5,1125.98 1484.25,1110.24 1523.62,1110.24 1555.12,1078.74 1566.14,1078.74 1598.43,1046.45 1598.43,1035.43 1618.11,1015.75 1778.06,1015.75 1782,1011.81 1785.49,1011.81 1805.06,1011.81 1859.62,1011.81 1875.37,1027.56 1954.78,1027.56 ; 1954.78,1027.56 1974.35,1027.56 ; 1974.35,1027.56 2001.91,1027.56 2017.66,1043.31 2031.5,1057.14 2053.09,1078.74 2204.72,1078.74
GPIO_54: U4.55 | length 1243
  Top Layer w7.87: v1(1374.02,1255.91) 1411.48,1255.91 1429.86,1237.52 1477.49,1237.52 1491.94,1251.97 1492.06,1251.97 1495.99,1255.91 U4.55@1673.23,1255.91
  Mid-Layer 1 w7.87: v1(1374.02,1255.91) 1412.78,1255.91 1609.63,1059.06 1866.14,1059.06 1881.89,1074.8 1982.34,1074.8 2005.96,1098.43 2204.72,1098.43
GPIO_55: U4.139 | length 1837.2
  Top Layer w7.87: v1(681.1,1098.43) 681.72,1097.81 681.72,1081.38 763.1,1000 U4.139@836.61,1000
  Mid-Layer 1 w7.87: v1(681.1,1098.43) 731.48,1098.43 762.98,1129.92 1196.14,1129.92 1200.08,1125.98 1202.02,1125.98 1359.5,968.5 1756.41,968.5 1776.09,948.82 1967.94,948.82 2000.56,948.82 2022.39,948.82 2040.72,948.82 2087.97,996.06 2204.72,996.06
GPIO_56: U4.140 | length 1834.5
  Top Layer w7.87: v1(677.17,1051.18) 679.46,1051.18 750.33,980.32 U4.140@836.61,980.32
  Mid-Layer 1 w7.87: v1(677.17,1051.18) 696.85,1031.5 736.22,1031.5 799.21,1094.49 1188.98,1094.49 1346.46,937.01 1742.88,937.01 1763.42,916.47 2093.63,916.47 2118.11,940.94 2204.72,940.94
GPIO_57: U4.14 | length 1230.9
  Top Layer w7.87: U4.14@1166.34,827.76 1166.34,768.76 1222.5,712.6 v1(1299.21,712.6)
  Mid-Layer 1 w7.87: v1(1299.21,712.6) 1299.21,698.88 1376.04,622.05 1584.41,622.05 1600.16,637.8 1641.73,637.8 1751.97,748.03 1889.76,748.03 1889.76,749.94 1915.41,775.59 2204.72,775.59
GPIO_58: U4.70 | length 695.6
  Top Layer w7.87: v1(1598.43,1583.27) 1598.43,1582.68 1629.92,1551.18 U4.70@1673.23,1551.18
  Mid-Layer 1 w7.87: v1@1598.43,1582.68 1599.48,1583.74 2204.72,1583.74 ; v1(1598.43,1583.27) v1@1598.72,1582.98
GPIO_59: U4.12 | length 1209.3
  Top Layer w7.87: U4.12@1126.97,827.76 1126.97,746.41 1200.15,673.23 v1(1358.27,673.23) ; v1(1641.02,673.23) 1748.03,673.23 1795.95,625.31 2204.72,625.31
  Mid-Layer 1 w7.87: v1(1358.27,673.23) v1(1641.02,673.23)
GPIO_60: U4.13 | length 1219.7
  Top Layer w7.87: 1147.64,795.28 1147.64,765.19 1223.85,688.98 1338.26,688.98 1354.01,704.72 v1(1358.27,704.72) ; v1(1602.36,696.85) 1602.36,678.2 1721.51,559.06 2126.77,559.06 2174.01,606.3 2204.72,606.3
  Mid-Layer 1 w7.87: v1(1358.27,704.72) 1409.45,704.72 1421.65,692.52 1598.03,692.52 v1(1602.36,696.85)
GPIO_CPU_1: R51.1 U4.26 | length 550.5
  Top Layer w7.87: U4.26@1402.56,827.76 1402.56,639.91 1523.62,518.85 1523.62,366.14 1531.5,358.27 R51.1@1559.06,358.27
GPIO_CPU_2: R52.1 U4.27 | length 648.7
  Top Layer w7.87: U4.27@1422.24,827.76 1422.24,648.06 1542.8,527.51 1542.8,402.08 1551.18,393.7 1661.27,393.7 1683.38,371.59 1685.19,371.59 1696.7,360.07 R52.1@1696.7,358.27
GPIO_CPU_3: R53.1 U4.28 | length 629.4
  Top Layer w7.87: U4.28@1441.93,827.76 1441.93,652.53 1570.87,523.6 v1(1570.87,417.32) ; v1(1531.5,311.02) 1531.5,307.09 R53.1@1559.06,279.53
  Bottom Layer w7.87: v1(1531.5,311.02) 1570.87,350.39 v1(1570.87,417.32)
GPIO_CPU_4: R54.1 U4.29 | length 679.7
  Top Layer w7.87: U4.29@1461.61,827.76 1461.61,664.37 1602.36,523.62 v1(1602.36,417.32) ; v1(1661.42,279.53) R54.1@1696.7,279.53
  Bottom Layer w7.87: v1(1602.36,417.32) 1602.36,315.7 1638.53,279.53 v1(1661.42,279.53)
GPIO_CPU_5: R55.1 U4.44 | length 1290.1
  Top Layer w7.87: v1(1444.88,881.89) v1@1444.88,885.83 ; v1@1448.82,881.89 v1@1444.88,885.83 ; R55.1@1562.99,200.79 1563.83,201.62 1563.83,237.06 v1(1564.67,237.89) ; U4.44@1673.23,1039.37 1623.4,1039.37 1519.68,1143.08 1519.68,1143.64 1505.85,1157.48 1469.18,1157.48 1464.57,1152.87 1464.57,905.51 v1@1444.88,885.83
  Bottom Layer w7.87: v1(1444.88,881.89) 1437.01,874.02 1437.01,352.42 1522.68,266.75 1535.81,266.75 v1(1564.67,237.89)
GPIO_CPU_6: R56.1 U4.45 | length 1450.5
  Top Layer w7.87: v1(1413.39,884.25) 1413.39,901.57 1444.88,933.07 1444.88,1165.35 1452.76,1173.23 1512.37,1173.23 1535.43,1150.17 1535.43,1149.61 1625.98,1059.06 U4.45@1673.23,1059.06 ; v1(1665.35,200.79) R56.1@1696.7,200.79
  Bottom Layer w7.87: v1(1413.39,884.25) 1419.52,878.12 1419.52,347.64 1566.37,200.79 v1(1665.35,200.79)